# Altium PCB DIO_RJ45.PCBDOC (part 2 of 3)
Units mm, origin at the board's own origin, x right, y up, seen from the top; angles counter-clockwise.
Board outline 64.5 x 100 mm, 4 copper layers (TopLayer, Internal Plane 2, Internal Plane 1, BottomLayer), stack 1.463 mm thick; 231 components, 132 nets, 885 pads, 463 vias.
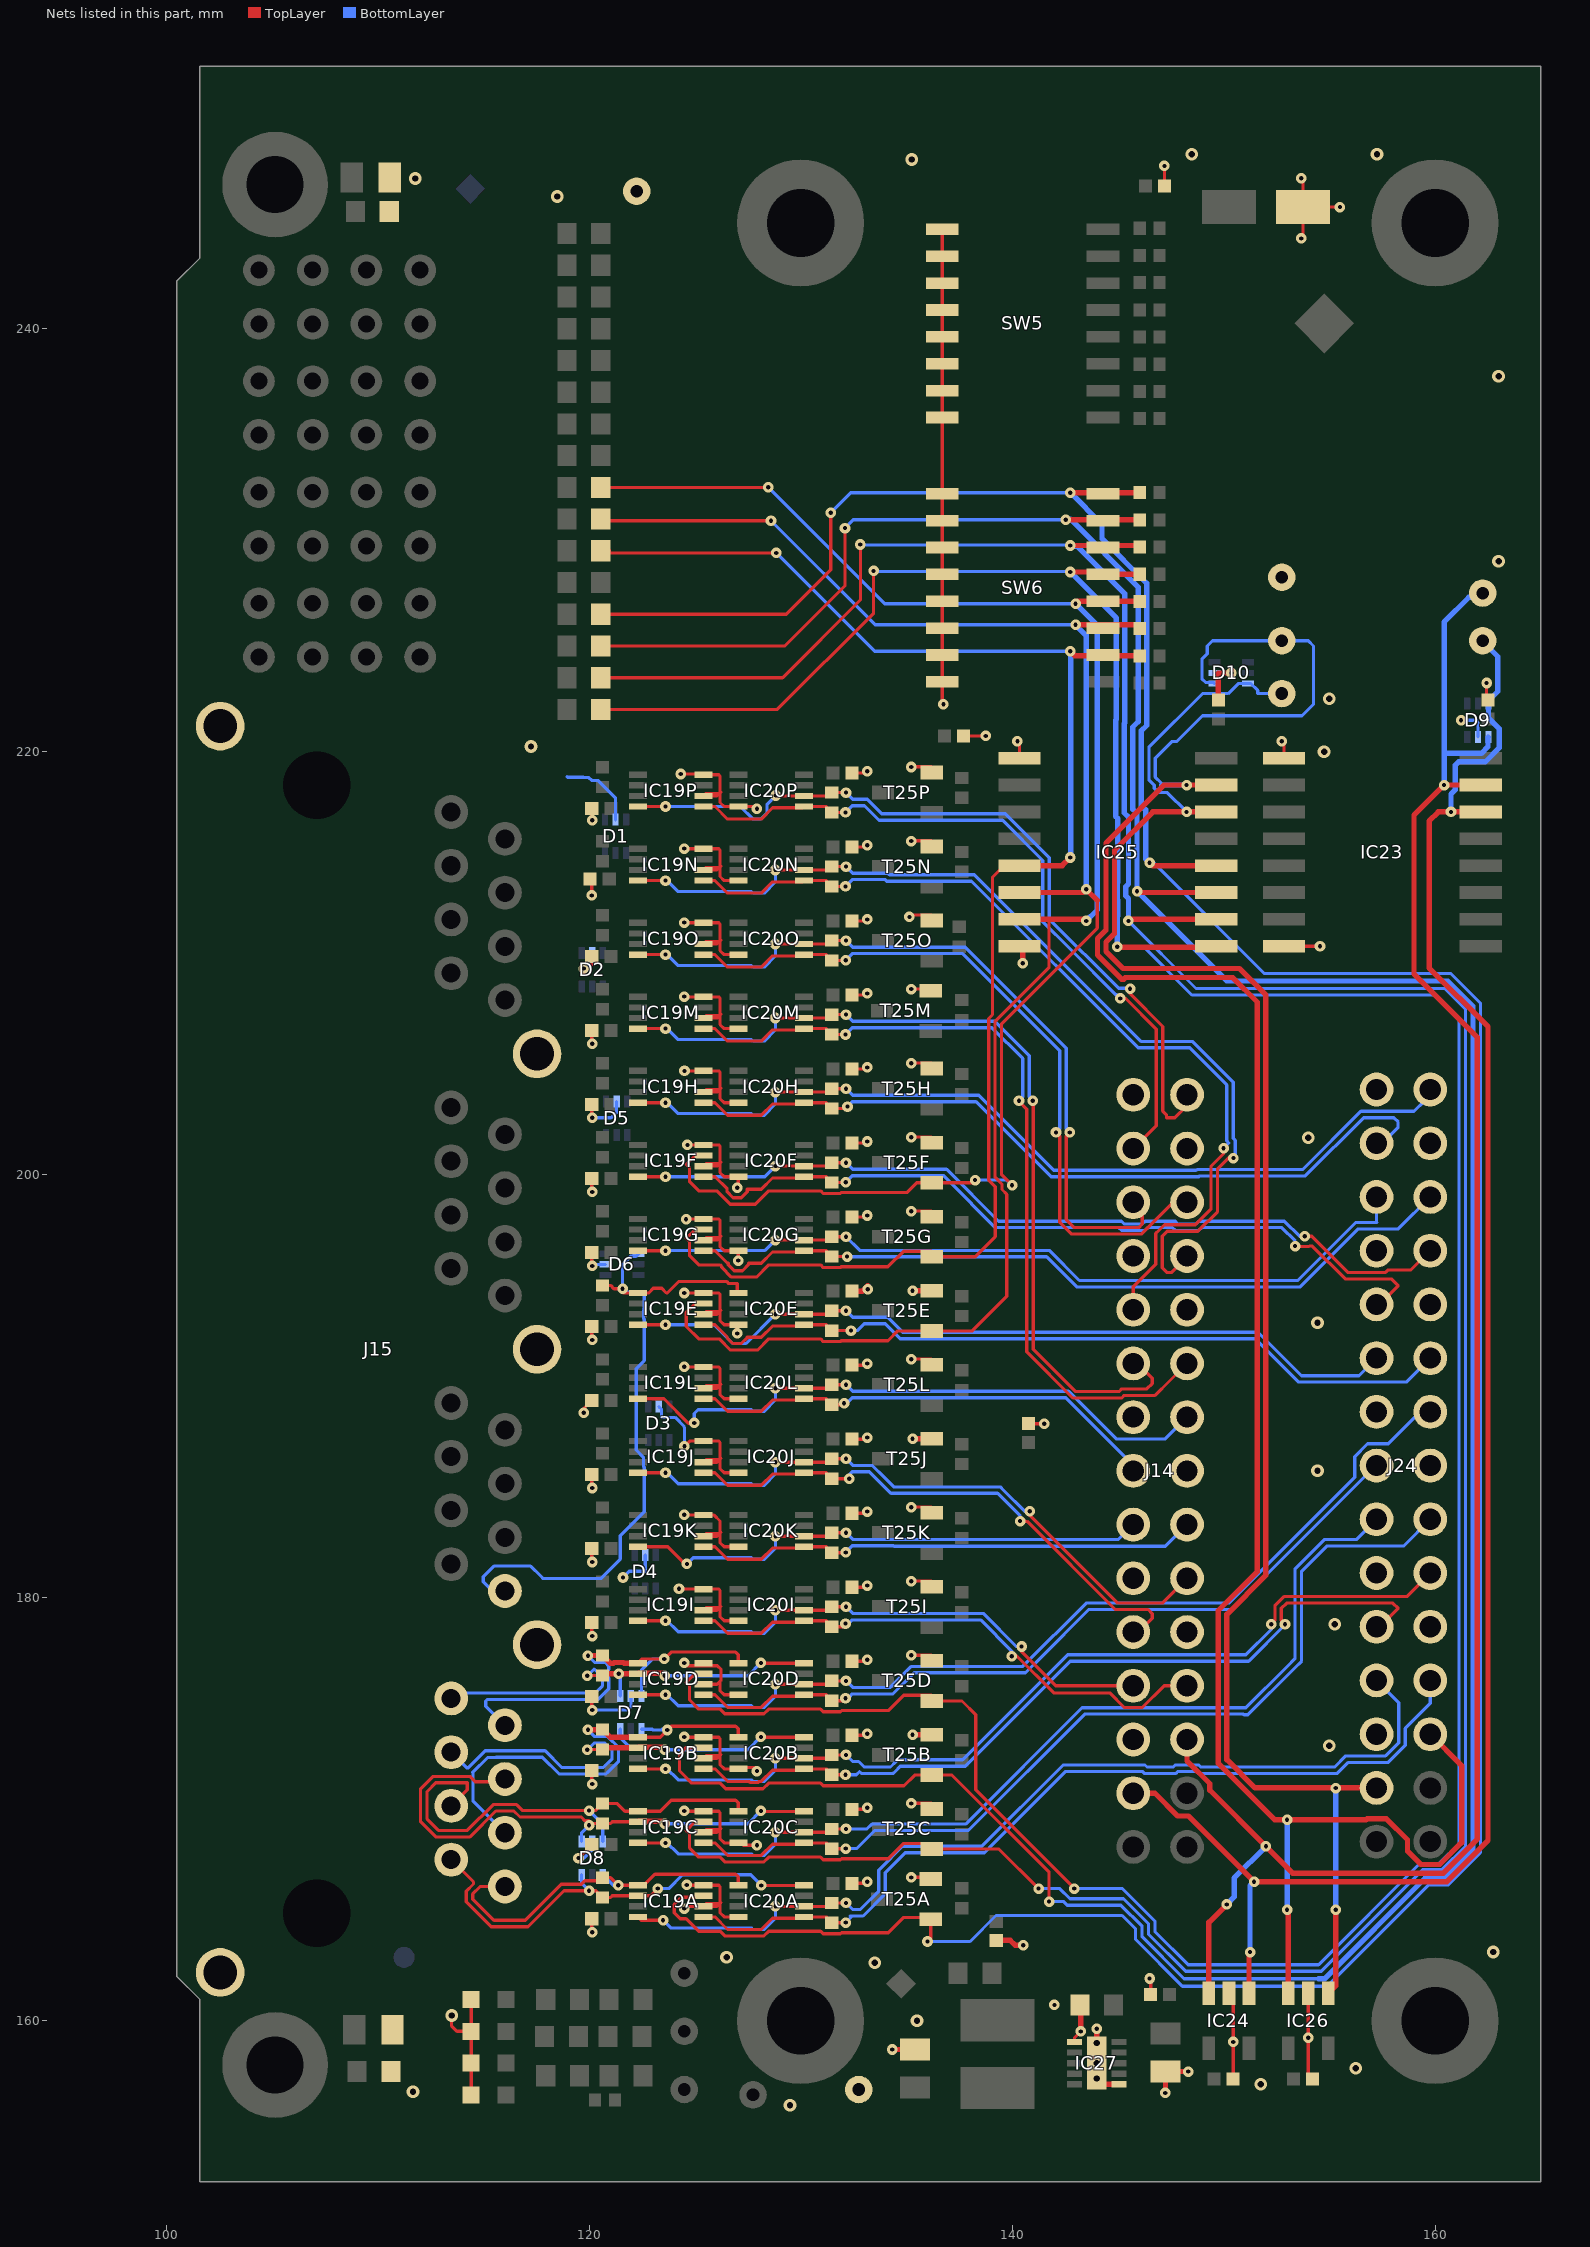
[diagram p4: the nets of this part, all layers, seen from the top]

## Via types
v1: diameter 0.5, hole 0.2, TopLayer to BottomLayer, tented both sides, 428 vias
v2: diameter 0.6, hole 0.3, TopLayer to BottomLayer, tented both sides, 35 vias

## Nets (pads, with @x,y where several pads share a name; then routed paths per layer and width w, separated by ;. In a path a pad name is that pad's centre, name@x,y a point inside that pad or via, vN(x,y) a via of type N, cw(c..) or ccw(c..) an arc to the next point about the centre after c; other vN are vias at no path point) (continued)
DIR_CTRL9: IC19G.3 IC25.5 R108.1 R115.2 SW6.2 T25G.1 | length 76.4
  TopLayer w0.152: R115.2@120.9,229.5 120.9,229.424 120.924,229.4 v1(128.85,229.4) ; IC19G.3@125.404,197.41 125.005,197.41 124.59,196.995 124.75,196.835 124.75,196.165 125.178,195.737 126.192,195.737 126.238,195.691 126.27,195.659 126.27,195.619 126.729,195.16 127.915,195.16 128.492,195.737 130.944,195.737 131.069,195.612 131.878,195.612 131.933,195.668 131.949,195.652 134.132,195.652 134.145,195.665 134.867,196.388 T25G.1@136.18,196.388 ; T25G.1@136.196,196.119 138.25,196.119 139.208,197.076 139.208,199.43 138.89,199.747 138.89,207.388 139.073,207.571 139.073,214.073 139.615,214.615 IC25.5@140.35,214.615
  TopLayer w0.254: R115.2@120.55,229.5 R115.2@120.9,229.5 ; IC25.5@140.35,214.615 142.365,214.615 v1(142.75,215) ; v1(142.75,224.75) 142.964,224.536 R108.1@146.03,224.536
  BottomLayer w0.152: v1(128.85,229.4) 133.5,224.75 v1(142.75,224.75)
  BottomLayer w0.254: v1(142.75,215) 142.779,215.029 142.779,224.721 v1(142.75,224.75)
DIR_CTRL10: IC19F.3 IC25.6 R110.1 R117.2 SW6.3 T25F.1 | length 77.9
  TopLayer w0.152: R117.2@120.55,231 120.625,230.925 v1(128.6,230.925) ; IC19F.3@125.404,200.91 125.005,200.91 124.59,200.495 124.75,200.335 124.75,199.665 125.178,199.237 126.045,199.237 126.676,198.606 127.861,198.606 128.492,199.237 130.944,199.237 131.069,199.112 131.878,199.112 131.933,199.168 131.936,199.165 135.043,199.165 135.496,199.619 v1@138.119,199.619 ; v1(140,199.5) 139.5,200 139.5,207.135 144.029,211.665 144.029,212.971
  TopLayer w0.254: IC25.6@140.35,213.345 143.345,213.345 v1(143.5,213.5) 144.029,212.971 ; v1(143,226) 145.851,226 R110.1@146.03,225.821
  BottomLayer w0.152: v1(128.6,230.925) 133.525,226 v1(143,226) ; v1(138.25,199.75) 139.75,199.75 v1(140,199.5)
  BottomLayer w0.254: v1(143,226) 143.5,225.5 v1(143.5,213.5)
DIR_CTRL11: IC19E.3 IC25.7 R112.1 R119.2 SW6.4 T25E.1 | length 84.8
  TopLayer w0.152: R119.2@120.55,232.5 v1(128.475,232.5) ; IC19E.3@125.404,193.91 125.005,193.91 124.59,193.495 124.59,192.825 125.178,192.237 126.154,192.237 126.675,191.716 127.971,191.716 128.492,192.237 130.944,192.237 131.069,192.112 131.878,192.112 131.933,192.168 131.936,192.165 131.949,192.152 134.132,192.152 134.598,192.619 T25E.1@136.196,192.619 138.119,192.619 139.75,194.25 139.75,199.073 139.521,199.302 139.521,199.548 139.195,199.874 139.195,207.261 141.75,209.816 141.75,212.075 IC25.7@140.35,212.075
  TopLayer w0.254: IC25.7@141.175,212.075 143.425,212.075 v1(143.5,212) ; v1(143,227) 143.107,227.107 R112.1@146.03,227.107
  BottomLayer w0.152: v1(128.475,232.5) 133.975,227 v1(143,227)
  BottomLayer w0.254: v1(143,227) 144.029,225.971 144.029,212.529 v1(143.5,212)
DIR_CTRL12: IC19D.3 IC25.9 R105.2 R114.1 SW6.5 T25D.1 | length 158.4
  TopLayer w0.152: R105.2@120.775,222 128.9,222 133.45,226.55 v1(133.45,228.55) ; IC19D.3@125.404,176.41 125.005,176.41 124.59,175.995 124.75,175.835 124.75,175.165 125.178,174.737 126.192,174.737 126.417,174.513 128.268,174.513 128.492,174.737 130.944,174.737 131.069,174.612 131.878,174.612 131.933,174.668 131.936,174.665 134.145,174.665 134.867,175.388 T25D.1@136.18,175.388 ; T25D.1@136.196,175.119 137.631,175.119 138.281,174.469 138.281,170.926 142.936,166.271 v1(142.936,166.25)
  TopLayer w0.254: R105.2@120.55,222 R105.2@120.775,222 ; v1(142.75,228.5) 144.201,228.5 SW6.5@144.308,228.393 ; v1(144.971,210.779) 145,210.75 149.595,210.75 IC25.9@149.65,210.805 ; R114.1@146.03,228.393 SW6.5@144.308,228.393 ; SW6.5@144.308,228.393 SW6.5@144.3,228.385 SW6.5@144.308,228.393
  BottomLayer w0.152: v1(133.45,228.55) 133.475,228.525 142.725,228.525 v1(142.75,228.5) ; v1(142.936,166.25) 145.22,166.25 146.753,164.717 146.753,164.222 148.329,162.646 154.488,162.646 159.283,167.441 160.196,167.441 161.13,168.375 161.13,207.37 160,208.5 148.5,208.5 146.221,210.779 v1(144.971,210.779)
  BottomLayer w0.254: v1(142.75,228.5) 144.925,226.325 144.925,221.534 144.892,221.501 144.892,216.947 145,216.839 145,213.823 144.971,213.794 144.971,213.019 145,212.989 145,212.249 144.971,212.219 v1(144.971,210.779)
DIR_CTRL13: IC19C.3 IC25.10 R107.2 R116.1 SW6.6 T25C.1 | length 154.7
  TopLayer w0.152: R107.2@120.55,223.5 129.15,223.5 132.825,227.175 v1(132.825,229.8) ; IC19C.3@125.404,169.41 125.005,169.41 124.59,168.995 124.75,168.835 124.75,168.165 125.178,167.737 126.192,167.737 126.417,167.513 128.268,167.513 128.492,167.737 130.944,167.737 131.069,167.612 131.878,167.612 131.933,167.668 131.936,167.665 134.145,167.665 134.867,168.388 T25C.1@136.18,168.388 ; T25C.1@136.196,168.119 139.381,168.119 v1(141.25,166.25)
  TopLayer w0.254: v1(142.75,229.75) 145.959,229.75 R116.1@146.03,229.679 ; v1(145.5,212) 145.575,212.075 IC25.10@149.65,212.075
  BottomLayer w0.152: v1(132.825,229.8) 132.85,229.775 142.725,229.775 v1(142.75,229.75) ; v1(141.25,166.25) 142.259,166.25 142.738,165.771 145.268,165.771 146.448,164.591 146.448,164.095 148.202,162.341 154.614,162.341 159.41,167.137 160.322,167.137 161.435,168.249 161.435,207.815 160.445,208.805 148.695,208.805 v1(145.5,212)
  BottomLayer w0.254: v1(142.75,229.75) 142.792,229.708 143.092,229.708 145.332,227.468 145.332,221.366 145.298,221.332 145.298,217.115 145.5,216.913 145.5,213.749 145.377,213.626 145.377,213.187 145.5,213.064 v1(145.5,212)
DIR_CTRL14: IC19B.3 IC25.11 R109.2 R118.1 SW6.7 T25B.1 | length 158.3
  TopLayer w0.152: R109.2@120.55,225 129.25,225 132.1,227.85 v1(132.1,230.575) ; IC19B.3@125.404,172.91 124.574,172.91 124.276,172.613 124.276,171.811 124.85,171.237 126.192,171.237 126.238,171.191 126.463,170.967 128.221,170.967 128.492,171.237 130.944,171.237 131.069,171.112 134.89,171.112 135.396,171.619 T25B.1@136.196,171.619 137.157,171.619 141.75,167.026 v1(141.75,165.638)
  TopLayer w0.254: v1(142.536,230.964) R118.1@146.03,230.964 ; v1(145.906,213.406) 145.968,213.345 IC25.11@149.65,213.345
  BottomLayer w0.152: v1(132.1,230.575) 132.489,230.964 v1(142.536,230.964) ; v1(141.75,165.638) 142.44,165.638 142.612,165.467 145.141,165.467 146.143,164.465 146.143,163.969 148.127,161.985 154.5,161.985
  BottomLayer w0.254: v1@142.75,231 145.959,227.791 145.959,221.418 145.705,221.164 145.705,217.283 145.906,217.082 v1(145.906,213.406) 150.152,209.16 160.592,209.16 161.79,207.963 161.79,168.102 160.47,166.781 159.557,166.781 154.761,161.985 154.5,161.985
DIR_CTRL15: IC19A.3 IC25.12 R111.2 R120.1 SW6.8 T25A.1 | length 157.8
  TopLayer w0.152: R111.2@120.55,226.5 129.325,226.5 131.425,228.6 v1(131.425,231.3) ; IC19A.3@125.404,165.91 125.469,165.844 125.469,165.836 124.353,165.836 124.021,165.504 124.021,165.108 124.302,164.828 124.588,164.828 125.178,164.237 126.192,164.237 126.417,164.013 128.268,164.013 128.492,164.237 130.944,164.237 131.069,164.112 131.878,164.112 131.933,164.168 131.936,164.165 134.145,164.165 134.867,164.888 136.18,164.888 T25A.1@136.15,164.8 136.15,163.9 v1(136,163.75)
  TopLayer w0.254: v1(142.75,232.25) R120.1@146.03,232.25 ; v1(146.5,214.75) 146.635,214.615 IC25.12@149.65,214.615
  BottomLayer w0.152: v1(131.425,231.3) 132.375,232.25 v1(142.75,232.25) ; v1(136,163.75) 138.011,163.75 139.239,164.979 145.198,164.979 145.838,164.339 145.838,163.843 148.051,161.63 154.908,161.63 159.704,166.425 160.617,166.425 162.146,167.954 162.146,208.11 160.74,209.516 151.921,209.516 146.687,214.75 v1(146.5,214.75)
  BottomLayer w0.254: v1(142.75,232.25) 144.25,230.75 144.25,230.075 146.365,227.959 146.365,221.25 146.111,220.996 146.111,217.452 146.313,217.25 146.313,214.937 v1(146.5,214.75)
GND: B5.1 B7.1 B9.1 C1.2 C2.2 C46A.1 C46B.1 C46C.1 C46D.1 C46E.1 C46F.1 C46G.1 C46H.1 C46I.1 C46J.1 C46K.1 C46L.1 C46M.1 C46N.1 C46O.1 C46P.1 C47A.1 C47B.1 C47C.1 C47D.1 C47E.1 C47F.1 C47G.1 C47H.1 C47I.1 C47J.1 C47K.1 C47L.1 C47M.1 C47N.1 C47O.1 C47P.1 C57.1 C58.1 C59.1 C60.1 C61.1 C62.2 C63.1 C64.1 C65.1 C66.1 C67.1 C68.1 D1.2 D2.2 D3.2 D4.2 D5.2 D6.2 D7.2 D8.2 D9.2 D10.2 IC19A.2 IC19A.4 IC19B.2 IC19B.4 IC19C.2 IC19C.4 IC19D.2 IC19D.4 IC19E.2 IC19E.4 IC19F.2 IC19F.4 IC19G.2 IC19G.4 IC19H.2 IC19H.4 IC19I.2 IC19I.4 IC19J.2 IC19J.4 IC19K.2 IC19K.4 IC19L.2 IC19L.4 IC19M.2 IC19M.4 IC19N.2 IC19N.4 IC19O.2 IC19O.4 IC19P.2 IC19P.4 IC20A.4 IC20B.4 IC20C.4 IC20D.4 IC20E.4 IC20F.4 IC20G.4 IC20H.4 IC20I.4 IC20J.4 IC20K.4 IC20L.4 IC20M.4 IC20N.4 IC20O.4 IC20P.4 IC23.1 IC23.8 IC24.2 IC25.1 IC25.8 IC26.2 IC27.1 IC27.6 IC27.11 J14.1 J14.4 J14.7 J14.10 J14.13 J14.16 J14.19 J14.22 J14.25 J15.SH J24.1 J24.4 J24.7 J24.10 J24.13 J24.16 J24.19 J24.22 J24.25 LD5.1 LD6.1 LD7.1 LD8.1 R8.1 R9.1 R122.1 SW5.9 SW5.10 SW5.11 SW5.12 SW5.13 SW5.14 SW5.15 SW5.16 SW6.9 SW6.10 SW6.11 SW6.12 SW6.13 SW6.14 SW6.15 SW6.16 T25A.2 T25B.2 T25C.2 T25D.2 T25E.2 T25F.2 T25G.2 T25H.2 T25I.2 T25J.2 T25K.2 T25L.2 T25M.2 T25N.2 T25O.2 T25P.2 | length 213.5
  TopLayer w0.152: v2(113.5,160.25) 113.5,159.75 113.75,159.5 LD8.1@114.425,159.5 ; LD5.1@114.425,156.5 LD7.1@114.425,158 LD8.1@114.425,159.5 ; LD6.1@114.425,161 LD8.1@114.425,159.5 ; v1(119.5,167.691) 120,168.191 120.127,168.191 C47C.1@120.127,168.326 ; v1(119.75,188.75) 119.75,188.948 C47L.1@120.127,189.326 ; v1(119.75,209.75) 119.936,209.75 120.127,209.941 C47O.1@120.127,210.326 ; C47A.1@120.127,164.826 120.127,164.209 v1(120.145,164.191) ; C47B.1@120.127,171.826 120.127,171.209 v1(120.145,171.191) ; C47D.1@120.127,175.326 120.127,174.709 v1(120.145,174.691) ; C47I.1@120.127,178.826 120.127,178.209 v1(120.145,178.191) ; C47K.1@120.127,182.326 120.127,181.709 v1(120.145,181.691) ; C47J.1@120.127,185.826 120.127,185.209 v1(120.145,185.191) ; C47E.1@120.127,192.826 120.127,192.209 v1(120.145,192.191) ; C47G.1@120.127,196.326 120.127,195.709 v1(120.145,195.691) ; C47F.1@120.127,199.826 120.127,199.209 v1(120.145,199.191) ; C47H.1@120.127,203.326 120.127,202.709 v1(120.145,202.691) ; C47M.1@120.127,206.826 120.127,206.209 v1(120.145,206.191) ; v1(120.127,213.209) C47N.1@120.127,213.826 ; C47P.1@120.127,217.326 120.127,216.709 120.145,216.727 v1(120.145,216.762) ; v1(124.25,180.422) 124.262,180.41 IC19I.4@125.404,180.41 126.126,180.41 126.19,180.346 126.19,179.624 126.226,179.588 ; v1(124.333,218.948) 125.365,218.948 IC19P.4@125.404,218.91 126.126,218.91 126.19,218.846 126.19,218.124 126.226,218.088 ; v1(124.5,165.306) 124.604,165.41 IC19A.2@125.404,165.41 126.048,165.41 126.169,165.531 ; v1(124.5,169.922) 124.512,169.91 IC19C.4@125.404,169.91 126.126,169.91 126.19,169.846 126.19,169.124 126.226,169.088 ; v1(124.5,173.422) 124.512,173.41 126.126,173.41 126.19,173.346 126.19,172.624 126.226,172.588 126.19,172.553 ; v1(124.5,176.922) 124.633,176.788 126.057,176.788 126.238,176.608 126.238,176.1 126.19,176.053 ; v1(124.5,183.922) 124.512,183.91 IC19K.4@125.404,183.91 125.909,183.91 126.19,183.629 126.19,183.124 126.226,183.088 126.19,183.053 ; v1(124.5,190.922) 124.512,190.91 IC19L.4@125.404,190.91 126.126,190.91 126.19,190.846 126.19,190.124 126.226,190.088 ; v1(124.5,208.422) 124.512,208.41 IC19M.4@125.404,208.41 126.126,208.41 126.19,208.346 126.19,207.624 126.226,207.588 126.19,207.553 ; v1(124.5,211.922) 124.512,211.91 126.126,211.91 126.19,211.846 126.19,211.124 126.226,211.088 ; v1(124.5,215.422) 124.512,215.41 IC19N.4@125.404,215.41 126.126,215.41 126.19,215.346 126.19,214.624 126.226,214.588 126.19,214.553 ; v1(124.5,194.41) IC19E.4@125.404,194.41 126.126,194.41 126.19,194.346 126.19,193.624 126.226,193.588 126.19,193.553 ; v1(124.506,187.159) 124.757,187.41 IC19J.4@125.404,187.41 126.126,187.41 126.19,187.346 126.19,186.624 126.226,186.588 126.19,186.553 ; v1(124.512,204.91) IC19H.4@125.404,204.91 126.126,204.91 126.19,204.846 126.19,204.124 126.226,204.088 126.19,204.053 ; v1(124.587,197.891) 124.605,197.91 126.126,197.91 126.19,197.846 126.19,197.124 126.226,197.088 126.19,197.053 ; v1(124.612,166.422) 124.624,166.41 IC19A.4@125.404,166.41 126.126,166.41 126.19,166.346 126.19,165.624 126.226,165.588 126.19,165.553 ; v1(124.65,201.41) IC19F.4@125.404,201.41 126.126,201.41 126.19,201.346 126.19,200.624 126.226,200.588 ; IC19D.2@125.404,175.91 126.048,175.91 126.19,176.053 ; IC19A.2@125.525,165.531 126.169,165.531 ; v1(127,192.5) 127,192.856 IC20E.4@127.053,192.91 126.382,192.91 126.19,193.101 126.19,193.553 ; v1(127,199.39) 127.053,199.443 IC20F.4@127.053,199.91 126.382,199.91 126.19,200.101 126.19,200.553 126.226,200.588 ; IC20A.4@127.053,164.91 126.382,164.91 126.19,165.101 126.19,165.553 ; IC20D.4@127.053,175.41 126.382,175.41 126.19,175.601 126.19,176.053 ; IC20I.4@127.053,178.91 126.382,178.91 126.19,179.101 126.19,179.553 ; IC20K.4@127.053,182.41 126.382,182.41 126.19,182.601 126.19,183.053 ; IC20J.4@127.053,185.91 126.382,185.91 126.19,186.101 126.19,186.553 ; IC20L.4@127.053,189.41 126.382,189.41 126.19,189.601 126.19,190.053 126.226,190.088 ; v1(127.053,195.943) IC20G.4@127.053,196.41 126.382,196.41 126.19,196.601 126.19,197.053 ; IC20H.4@127.053,203.41 126.382,203.41 126.19,203.601 126.19,204.053 ; IC20M.4@127.053,206.91 126.382,206.91 126.19,207.101 126.19,207.553 ; IC20O.4@127.053,210.41 126.382,210.41 126.19,210.601 126.19,211.053 126.226,211.088 ; IC20N.4@127.053,213.91 126.382,213.91 126.19,214.101 126.19,214.553 ; v1(127.935,168.304) 127.295,168.304 127.122,168.478 IC20C.4@127.053,168.41 126.382,168.41 126.19,168.601 126.19,169.053 ; v1(127.935,171.804) 127.761,171.978 127.122,171.978 IC20B.4@127.053,171.91 126.382,171.91 126.19,172.101 126.19,172.553 ; v1(127.935,217.304) 127.829,217.41 IC20P.4@127.053,217.41 126.382,217.41 126.19,217.601 126.19,218.053 ; C46A.1@132.432,166.498 133.125,166.498 v1(133.15,166.574) ; C46C.1@132.432,169.998 133.125,169.998 v1(133.15,170.074) ; C46B.1@132.432,173.498 133.125,173.498 v1(133.15,173.574) ; C46D.1@132.432,176.998 133.125,176.998 v1(133.15,177.074) ; C46I.1@132.432,180.498 133.125,180.498 v1(133.15,180.574) ; C46K.1@132.432,183.998 133.125,183.998 v1(133.15,184.074) ; C46J.1@132.432,187.498 133.125,187.498 v1(133.15,187.574) ; C46L.1@132.432,190.998 133.125,190.998 v1(133.15,191.074) ; C46G.1@132.432,197.998 133.125,197.998 v1(133.15,198.074) ; C46F.1@132.432,201.498 133.125,201.498 v1(133.15,201.574) ; C46H.1@132.432,204.998 133.125,204.998 v1(133.15,205.074) ; C46M.1@132.432,208.498 133.125,208.498 v1(133.15,208.574) ; C46O.1@132.432,211.998 133.125,211.998 v1(133.15,212.074) ; C46N.1@132.432,215.498 133.125,215.498 v1(133.15,215.574) ; C46P.1@132.432,218.998 133.125,218.998 v1(133.15,219.074) ; v1(135.145,212.191) 135.233,212.277 135.243,212.288 T25O.2@136.18,212.288 ; v1(135.233,166.777) 135.243,166.788 136.18,166.788 T25A.2@136.15,166.7 ; v1(135.233,170.277) 135.243,170.288 T25C.2@136.18,170.288 ; v1(135.233,177.277) 135.243,177.288 T25D.2@136.18,177.288 ; v1(135.233,180.777) 135.243,180.788 T25I.2@136.18,180.788 ; v1(135.233,184.277) 135.243,184.288 T25K.2@136.18,184.288 ; v1(135.233,191.277) 135.243,191.288 T25L.2@136.18,191.288 ; v1(135.233,198.277) 135.243,198.288 T25G.2@136.18,198.288 ; v1(135.233,201.777) 135.243,201.788 T25F.2@136.18,201.788 ; v1(135.233,205.277) 135.243,205.288 T25H.2@136.18,205.288 ; v1(135.233,208.777) 135.243,208.788 T25M.2@136.18,208.788 ; v1(135.233,215.777) 135.243,215.788 T25N.2@136.18,215.788 ; v1(135.233,219.277) 135.243,219.288 T25P.2@136.18,219.288 ; SW5.9@136.7,244.695 SW5.10@136.7,243.425 SW5.11@136.7,242.155 SW5.12@136.7,240.885 SW5.13@136.7,239.615 SW5.14@136.7,238.345 SW5.15@136.7,237.075 SW5.16@136.7,235.805 SW6.9@136.7,232.195 SW6.10@136.7,230.925 SW6.11@136.7,229.655 SW6.12@136.7,228.385 SW6.13@136.7,227.115 SW6.14@136.7,225.845 SW6.15@136.7,224.575 SW6.16@136.7,223.305 136.7,222.3 v1(136.75,222.25) ; C59.1@137.7,220.75 v1(138.75,220.75) ; v1(140.25,220.5) 140.35,220.4 IC25.1@140.35,219.695 ; C60.1@140.767,188.232 v1(141.522,188.232) ; IC27.6@142.95,159 142.95,159.2 v1(143.25,159.5) ; v1(146.5,162) 146.55,161.95 C67.1@146.55,161.25 ; C61.1@147.2,246.75 v1(147.2,247.7) ; IC24.2@150.25,161.3 150.45,161.1 v1(150.45,159) C58.1@150.45,157.25 ; v1(152.75,220.5) 152.85,220.4 IC23.1@152.85,219.695 ; IC23.8@152.85,210.805 v1(154.555,210.805) ; v1(153.67,244.272) 153.75,244.352 C62.2@153.75,245.75 ; v1(153.67,247.117) 153.75,247.037 C62.2@153.75,245.75 ; IC26.2@154,161.3 v1(154,159.2) 154,157.45 C63.1@154.2,157.25 ; v1(155.5,245.75) C62.2@153.75,245.75 ; v1(162.431,223.25) 162.431,222.519 C57.1@162.5,222.45 ; 126.169,165.531 126.19,165.553 ; 126.169,172.531 126.19,172.553 ; 126.169,172.531 125.525,172.531 125.404,172.41 126.048,172.41 126.169,172.531 ; 126.169,172.531 126.19,172.553 ; 126.169,183.031 126.19,183.053 ; 126.169,183.031 126.048,182.91 IC19K.2@125.404,182.91 125.525,183.031 126.169,183.031 ; 126.169,183.031 126.19,183.053 ; 126.169,186.531 126.19,186.553 ; 126.169,186.531 125.525,186.531 IC19J.2@125.404,186.41 126.048,186.41 126.169,186.531 ; 126.169,193.531 126.19,193.553 ; 126.169,193.531 125.525,193.531 IC19E.2@125.404,193.41 126.048,193.41 126.169,193.531 ; 126.169,193.531 126.19,193.553 ; 126.169,197.031 125.525,197.031 125.404,196.91 126.048,196.91 126.169,197.031 ; 126.169,197.031 126.19,197.053 ; 126.169,204.031 125.525,204.031 IC19H.2@125.404,203.91 126.048,203.91 126.169,204.031 ; 126.169,204.031 126.19,204.053 ; 126.169,207.531 125.525,207.531 IC19M.2@125.404,207.41 126.048,207.41 126.169,207.531 ; 126.169,207.531 126.19,207.553 ; 126.169,214.531 125.525,214.531 IC19N.2@125.404,214.41 126.048,214.41 126.169,214.531 ; 126.169,214.531 126.19,214.553 ; 126.19,169.053 126.226,169.088 ; 126.19,169.053 126.048,168.91 IC19C.2@125.404,168.91 125.525,169.031 126.169,169.031 126.19,169.053 ; 126.19,169.053 126.226,169.088 ; 126.19,169.053 126.226,169.088 ; 126.19,179.553 126.226,179.588 ; 126.19,179.553 126.048,179.41 IC19I.2@125.404,179.41 125.525,179.531 126.169,179.531 126.19,179.553 ; 126.19,179.553 126.226,179.588 ; 126.19,179.553 126.226,179.588 ; 126.19,218.053 126.226,218.088 ; 126.19,218.053 126.048,217.91 IC19P.2@125.404,217.91 125.525,218.031 126.169,218.031 126.19,218.053 ; 126.19,218.053 126.226,218.088 ; 126.19,218.053 126.226,218.088 ; 126.226,190.088 126.048,189.91 IC19L.2@125.404,189.91 125.525,190.031 126.169,190.031 126.226,190.088 ; 126.226,200.588 126.169,200.531 125.525,200.531 IC19F.2@125.404,200.41 126.048,200.41 126.226,200.588 ; 126.226,211.088 126.048,210.91 125.404,210.91 125.525,211.031 126.169,211.031 126.226,211.088
  TopLayer w0.254: C46E.1@132.432,194.498 132.919,194.498 133.178,194.757 v1(133.178,194.583) ; v1(134.33,158.643) C66.1@135.407,158.643 ; v1(135.294,173.519) T25B.2@136.196,173.519 ; v1(135.294,187.519) T25J.2@136.196,187.519 ; v1(135.294,194.519) T25E.2@136.196,194.519 ; C65.1@139.25,163.8 139.913,163.8 140.137,163.576 v1(140.524,163.576) ; IC25.8@140.35,210.805 140.5,210.655 v1(140.5,210) ; R122.1@143.2,160.75 143,160.55 143.25,160.3 v1(143.25,159.5) ; v1(144,159.627) v2(144,158) v2(144,157.269) 144.269,157 IC27.1@145.05,157 ; v1(147.244,156.591) 147.25,156.597 C68.1@147.25,157.6 v1(148.327,157.6) ; C64.1@149.75,222.45 149.75,223.724 v1(150.368,223.724)
  BottomLayer w0.152: 118.95,218.825 118.98,218.795 119.726,218.795 119.744,218.777 119.99,218.777 120.125,218.642 120.408,218.642 121.25,217.8 D1.2@121.25,216.79 ; v1(119.5,167.691) 119.745,167.691 120.145,168.091 D8.2@120.145,168.481 ; v1(119.75,188.75) v1@119.75,188.783 ; v1@119.845,209.75 120.145,210.05 D2.2@120.145,210.481 ; v1(120.145,174.691) 121.816,174.691 121.975,174.85 D7.2@121.975,175.365 ; v1(120.145,195.691) 120.218,195.764 D6.2@120.765,195.764 ; v1(120.145,202.691) 121.041,202.691 121.3,202.95 D5.2@121.3,203.465 ; v1(121.604,180.96) 121.894,181.25 122.65,181.25 D4.2@122.65,182.015 ; D3.2@123.3,189.04 123.421,188.919 123.421,188.526 124.066,188.526 124.493,188.099 124.493,188.069 124.506,188.055 v1@124.506,187.225 ; v1(127,192.5) v1@127,192.648 ; v1(127.935,168.304) v1@128,168.369 ; v1(127.935,171.804) v1@127.989,171.75 ; D10.2@149.578,223.724 v1(150.368,223.724) ; v1(161.225,221.49) 161.936,221.49 162.025,221.401 D9.2@162.025,220.7